# Altium PCB UltraZohm_Analog_ADS5272.PcbDoc (part 2 of 4) (continued)
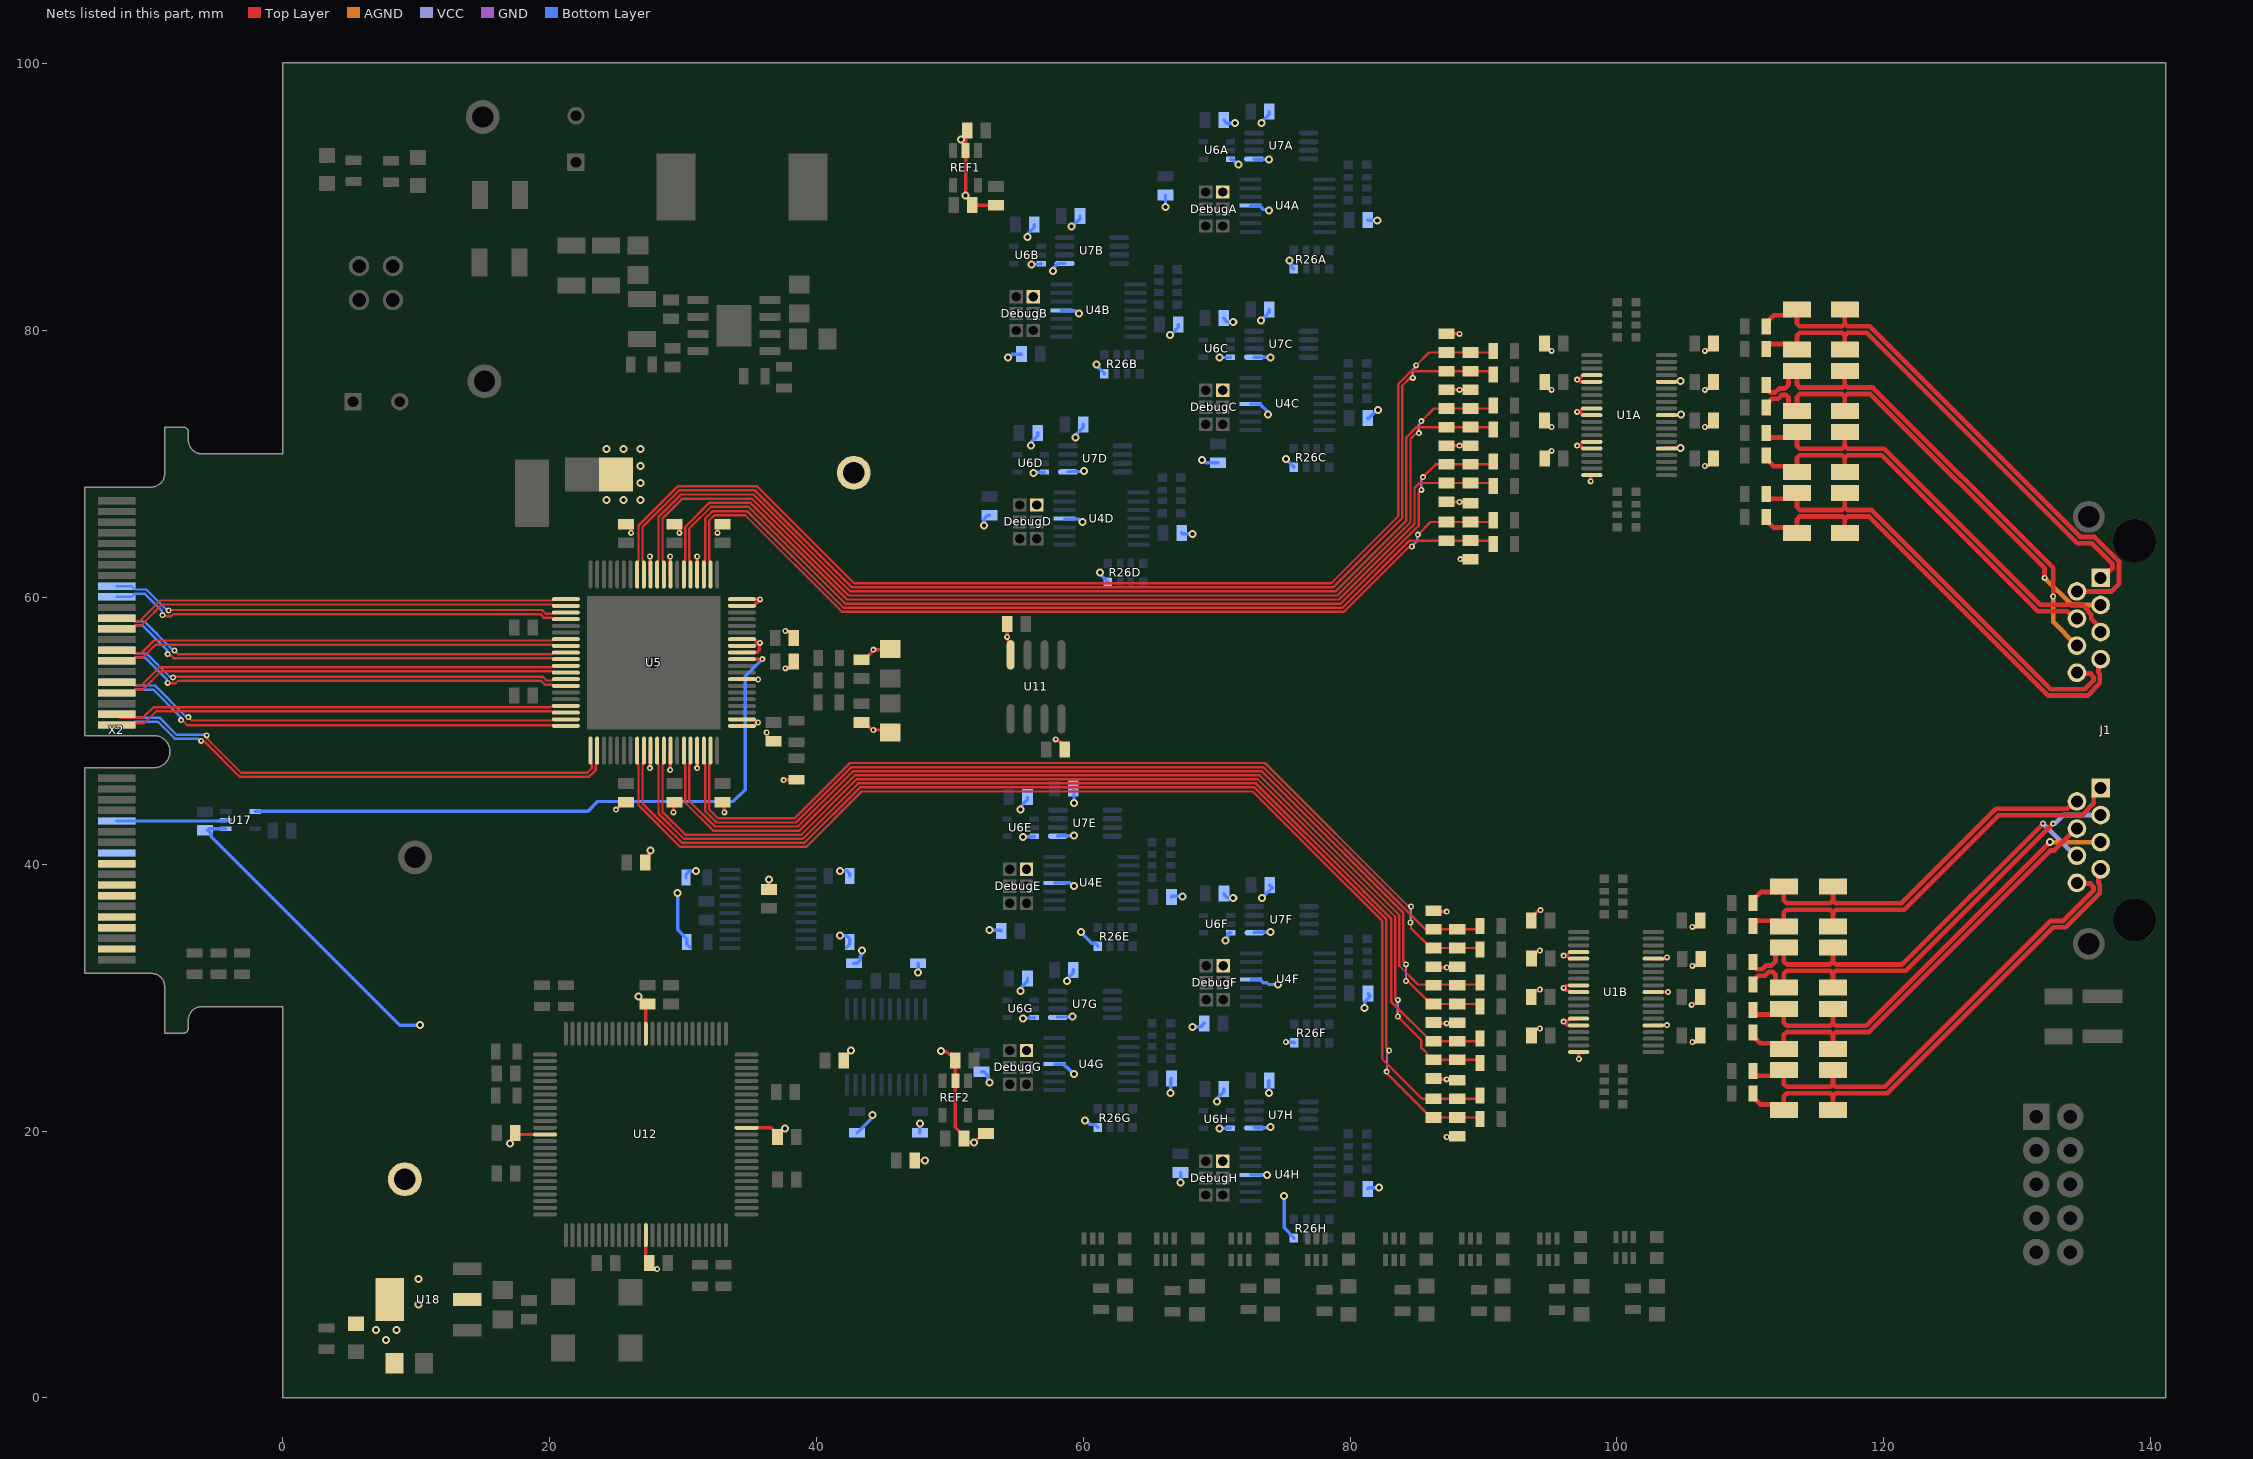
[diagram p6: the nets of this part, all layers, seen from the top]
## Nets (pads, with @x,y where several pads share a name; then routed paths per layer and width w, separated by ;. In a path a pad name is that pad's centre, name@x,y a point inside that pad or via, vN(x,y) a via of type N, cw(c..) or ccw(c..) an arc to the next point about the centre after c; other vN are vias at no path point) (continued)
  GND w0.178: v2(85.344,68.072) 85.344,68.82 85.471,68.947 v2(85.471,69.021)
ADC_IN_P3: C48A.2 C50A.1 R46A.1 U5.9 | length 80.1
  Top Layer w0.178: U5.9@28.563,61.718 28.563,62.651 28.465,62.749 28.465,65.91 29.967,67.412 35.151,67.412 42.415,60.147 79.047,60.147 84.531,65.631 84.531,71.883 84.916,72.267 85.108,72.267 v2(85.16,72.32) ; v2(85.344,73.209) 86.303,74.168 C48A.2@87.249,74.168 90.513,74.168 R46A.1@90.729,74.384
  GND w0.178: v2(85.16,72.32) 85.16,72.952 85.344,73.135 v2(85.344,73.209)
ADC_IN_P4: C52A.2 C54A.1 R52A.1 U5.12 | length 85.1
  Top Layer w0.178: U5.12@27.063,61.718 27.063,62.651 26.965,62.749 26.965,65.272 29.714,68.021 35.403,68.021 42.668,60.757 78.714,60.757 83.922,65.965 83.922,75.871 84.459,76.408 84.651,76.408 v2(84.703,76.46) ; v2(84.963,77.403) 85.919,78.359 C54A.1@87.249,78.359 89.027,78.359 90.602,78.359 R52A.1@90.729,78.486
  GND w0.178: v2(84.703,76.46) 84.703,77.07 84.963,77.329 v2(84.963,77.403)
ADC_IN_P5: C41B.1 C65B.2 R34B.1 U5.48 | length 85.9
  Top Layer w0.178: U5.48@26.563,48.518 26.563,47.585 26.661,47.487 26.661,44.436 29.796,41.3 39.238,41.3 43.391,45.454 72.71,45.454 77.624,40.54 82.386,35.777 82.423,35.741 82.423,25.4 85.408,22.415 C65B.2@86.261,22.415 89.487,22.415 R34B.1@89.741,22.669
ADC_IN_P6: C43B.2 C45B.1 R40B.1 U5.51 | length 80.6
  Top Layer w0.178: U5.51@28.063,48.518 28.063,47.585 28.161,47.487 28.161,43.798 30.049,41.91 38.985,41.91 43.139,46.063 72.963,46.063 74.726,44.3 78.881,40.145 83.083,35.943 83.083,29.708 86.061,26.73 C45B.1@86.261,26.73 88.039,26.73 89.542,26.73 R40B.1@89.741,26.929
ADC_IN_P7: C48B.2 C50B.1 R46B.1 U5.55 | length 74.9
  Top Layer w0.178: U5.55@30.063,48.518 30.063,47.585 30.161,47.487 30.161,46.55 30.166,46.545 30.166,44.614 32.26,42.52 38.733,42.52 42.886,46.673 73.215,46.673 83.693,36.195 83.693,32.385 85.09,30.988 86.261,30.988 88.039,30.988 89.589,30.988 R46B.1@89.741,31.14
ADC_IN_P8: C52B.2 C54B.1 R52B.1 U5.58 | length 69.9
  Top Layer w0.178: U5.58@31.563,48.518 31.563,47.585 31.661,47.487 31.661,43.981 32.423,43.218 32.513,43.129 38.48,43.129 42.634,47.282 73.495,47.282 85.659,35.118 86.261,35.118 C52B.2@88.039,35.118 89.49,35.118 R52B.1@89.741,35.369
ADC_N1: U5.22 X2.25 | length 34.5
  Top Layer w0.178: X2.25@-12.453,57.642 -11.328,57.642 -11.08,57.89 -10.594,57.89 -10.311,58.172 -10.311,58.219 -9.064,59.466 20.182,59.466 20.28,59.368 U5.22@21.213,59.368
ADC_N2: U5.24 X2.20 | length 34.9
  Top Layer w0.178: v2(-9.017,58.674) -8.965,58.622 -8.78,58.622 -8.741,58.584 -8.376,58.584 -8.21,58.75 19.305,58.75 19.589,58.466 20.182,58.466 20.28,58.368 U5.24@21.213,58.368
  Bottom Layer w0.178: X2.20@-12.453,60.042 -11.328,60.042 -11.08,60.29 -10.368,60.29 -9.055,58.976 -9.055,58.712 v2(-9.017,58.674)
ADC_N3: U5.28 X2.31 | length 34.2
  Top Layer w0.178: X2.31@-12.453,55.242 -11.328,55.242 -11.08,55.49 -10.5,55.49 -9.524,56.466 20.182,56.466 20.28,56.368 U5.28@21.213,56.368
ADC_N4: U5.30 X2.26 | length 35
  Top Layer w0.178: v2(-8.636,55.753) -8.562,55.753 -8.435,55.626 -8.352,55.626 -8.174,55.448 20.2,55.448 20.28,55.368 U5.30@21.213,55.368
  Bottom Layer w0.178: X2.26@-12.453,57.642 -11.328,57.642 -11.08,57.89 -10.508,57.89 -8.674,56.055 -8.674,55.791 v2(-8.636,55.753)
ADC_N5: U5.32 X2.37 | length 34.4
  Top Layer w0.178: X2.37@-12.453,52.842 -11.328,52.842 -11.08,53.09 -10.487,53.09 -9.111,54.466 20.182,54.466 20.28,54.368 U5.32@21.213,54.368
ADC_N6: U5.34 X2.32 | length 34.9
  Top Layer w0.178: v2(-8.636,53.594) -8.603,53.561 -8.034,53.561 -7.836,53.759 19.342,53.759 19.636,53.466 20.182,53.466 20.28,53.368 U5.34@21.213,53.368
  Bottom Layer w0.178: X2.32@-12.453,55.242 -11.328,55.242 -11.08,55.49 -10.339,55.49 -8.688,53.839 -8.688,53.646 v2(-8.636,53.594)
ADC_N7: U5.38 X2.43 | length 34.1
  Top Layer w0.178: X2.43@-12.446,50.5 -12.379,50.567 -10.393,50.567 -9.492,51.468 20.18,51.468 20.257,51.391 21.19,51.391 U5.38@21.213,51.368
ADC_N8: U5.40 X2.38 | length 35
  Top Layer w0.178: v2(-7.62,50.8) -7.546,50.8 -7.165,50.419 20.176,50.419 20.203,50.391 21.19,50.391 U5.40@21.213,50.368
  Bottom Layer w0.178: X2.38@-12.453,52.842 -11.328,52.842 -11.08,53.09 -9.717,53.09 -7.672,51.045 -7.672,50.852 v2(-7.62,50.8)
ADC_P1: U5.21 X2.23 | length 34.5
  Top Layer w0.178: X2.23@-12.453,58.442 -11.328,58.442 -11.08,58.194 -10.72,58.194 -10.616,58.299 -10.616,58.345 -9.191,59.77 20.182,59.77 20.28,59.868 U5.21@21.213,59.868
ADC_P2: U5.23 X2.18 | length 34.6
  Top Layer w0.178: v2(-8.559,59.025) -8.529,59.055 19.431,59.055 19.716,58.77 20.182,58.77 20.28,58.868 U5.23@21.213,58.868
  Bottom Layer w0.178: X2.18@-12.453,60.842 -11.328,60.842 -11.08,60.594 -10.242,60.594 -8.813,59.166 -8.773,59.166 -8.632,59.025 v2(-8.559,59.025)
ADC_P3: U5.27 X2.29 | length 34.2
  Top Layer w0.178: X2.29@-12.453,56.042 -11.328,56.042 -11.08,55.794 -10.627,55.794 -9.651,56.77 20.182,56.77 20.28,56.868 U5.27@21.213,56.868
ADC_P4: U5.29 X2.24 | length 34.8
  Top Layer w0.178: v2(-8.127,56.025) -7.855,55.753 20.165,55.753 20.28,55.868 U5.29@21.213,55.868
  Bottom Layer w0.178: X2.24@-12.453,58.442 -11.328,58.442 -11.08,58.194 -10.382,58.194 -8.34,56.152 -8.328,56.152 -8.201,56.025 v2(-8.127,56.025)
ADC_P5: U5.31 X2.35 | length 34.4
  Top Layer w0.178: X2.35@-12.453,53.642 -11.328,53.642 -11.08,53.394 -10.614,53.394 -9.238,54.77 20.182,54.77 20.28,54.868 U5.31@21.213,54.868
ADC_P6: U5.33 X2.30 | length 34.7
  Top Layer w0.178: v2(-8.228,54.002) -8.176,54.054 -7.998,54.054 -7.988,54.064 19.469,54.064 19.558,53.975 19.763,53.77 20.182,53.77 20.28,53.868 U5.33@21.213,53.868
  Bottom Layer w0.178: X2.30@-12.453,56.042 -11.328,56.042 -11.08,55.794 -10.213,55.794 -8.473,54.054 -8.28,54.054 v2(-8.228,54.002)
ADC_P7: U5.37 X2.41 | length 34.1
  Top Layer w0.178: X2.41@-12.453,51.242 -12.205,50.994 -10.474,50.994 -9.695,51.773 20.066,51.773 20.12,51.827 20.186,51.827 20.203,51.845 21.19,51.845 U5.37@21.213,51.868
ADC_P8: U5.39 X2.36 | length 34.9
  Top Layer w0.178: v2(-7.09,51.027) -6.833,50.77 20.182,50.77 20.28,50.868 U5.39@21.213,50.868
  Bottom Layer w0.178: X2.36@-12.453,53.642 -11.328,53.642 -11.08,53.394 -9.591,53.394 -7.327,51.13 -7.266,51.13 -7.163,51.027 v2(-7.09,51.027)
ADCLK: U5.71 U17.4 | length 49.2
  Top Layer w0.254: U5.71@34.413,55.368 34.415,55.37 35.939,55.37 v2(35.941,55.372)
  Bottom Layer w0.254: U17.4@-2.065,43.957 22.875,43.957 23.622,44.704 33.782,44.704 34.671,45.593 34.671,54.102 v2(35.941,55.372)
ADCLK1.8: U17.2 X2.54 | length 8.2
  Bottom Layer w0.254: X2.54@-12.453,43.242 -4.732,43.242 -4.715,43.259 -4.333,43.259 U17.2@-4.285,43.307
ADCLK_N: U5.42 X2.44 | length 39.4
  Top Layer w0.178: v2(-6.123,49.249) -6.071,49.197 -5.878,49.197 -3.24,46.558 22.949,46.558 23.465,47.075 23.465,47.487 23.563,47.585 U5.42@23.563,48.518
  Bottom Layer w0.178: X2.44@-12.453,50.442 -11.328,50.442 -11.08,50.69 -9.376,50.69 -8.089,49.403 -6.351,49.403 -6.197,49.249 v2(-6.123,49.249)
ADCLK_P: U5.41 X2.42 | length 39
  Top Layer w0.178: v2(-5.715,49.657) -5.663,49.605 -5.663,49.412 -3.113,46.863 22.822,46.863 23.161,47.201 23.161,47.487 23.063,47.585 U5.41@23.063,48.518
  Bottom Layer w0.178: X2.42@-12.453,51.242 -11.328,51.242 -11.08,50.994 -9.25,50.994 -7.963,49.708 -5.766,49.708 v2(-5.715,49.657)
AGND: C1A.1 C1B.1 C2A.1 C2B.1 C15.2 C16.2 C17.2 C18.2 C19.2 C20.2 C21.2 C22.2 C23.2 C26.2 C27.2 C28.2 C29.2 C35A.1 C35B.1 C36A.2 C36B.2 C37A.2 C37B.2 C38A.2 C38B.2 C39A.2 C39B.2 C40.2 C41A.2 C41B.2 C42A.1 C42B.1 C45A.2 C45B.2 C46.2 C47A.1 C47B.1 C49A.1 C49B.1 C50A.2 C50B.2 C51A.1 C51B.1 C54A.2 C54B.2 C64A.1 C64B.1 C68A.2 C68B.2 C68C.2 C68D.2 C68E.2 C68F.2 C68G.2 C68H.2 C69A.2 C69B.2 C69C.2 C69D.2 C69E.2 C69F.2 C69G.2 C69H.2 C70A.2 C70B.2 C70C.2 C70D.2 C70E.2 C70F.2 C70G.2 C70H.2 C73.2 C74.2 C75.2 C76.2 C77.2 C78.2 C85A.2 C85B.2 C85C.2 C85D.2 C85E.2 C85F.2 C85G.2 C85H.2 C88.2 C89.2 C90.2 C91.2 DebugA.2 DebugB.2 DebugC.2 DebugD.2 DebugE.2 DebugF.2 DebugG.2 DebugH.2 NT2.2 R20.1 R26A.4 R26B.4 R26C.4 R26D.4 R26E.4 R26F.4 R26G.4 R26H.4 R56.1 R73.1 R74.1 R75.1 R80.1 R81.1 R82.1 R83.1 REF1.2 REF2.2 TP3.1 U1A.5 U1A.10 U1A.15 U1A.23 U1A.24 U1A.28 U1A.29 U1A.33 U1A.34 U1A.38 U1B.5 U1B.10 U1B.15 U1B.23 U1B.24 U1B.28 U1B.29 U1B.33 U1B.34 U1B.38 U4A.11 U4B.11 U4C.11 U4D.11 U4E.11 U4F.11 U4G.11 U4H.11 U5.4 U5.8 U5.11 U5.50 U5.53 U5.57 U5.61 U5.62 U5.68 U5.72 U5.73 U5.74 U5.79 U5.80 U6A.3 U6B.3 U6C.3 U6D.3 U6E.3 U6F.3 U6G.3 U6H.3 U7A.5 U7B.5 U7C.5 U7D.5 U7E.5 U7F.5 U7G.5 U7H.5 U11.4 | length 194.3
  Top Layer w0.254: v2(24.97,44.095) 25.53,44.655 C18.2@25.73,44.655 ; C17.2@25.73,65.489 25.838,65.489 26.111,65.216 v2(26.111,64.848) ; C88.2@27.178,40.132 27.451,40.405 27.451,40.819 27.559,40.927 v1(27.559,41.021) ; v2(27.508,47.195) 27.508,47.248 27.554,47.294 27.554,48.509 U5.50@27.563,48.518 ; v2(27.508,63.07) 27.508,63.017 27.554,62.971 27.554,61.727 U5.11@27.563,61.718 ; v2(29.032,47.068) 29.054,47.09 29.054,48.509 U5.53@29.063,48.518 ; v2(29.032,63.07) 29.054,63.048 29.054,61.727 U5.8@29.063,61.718 ; v2(29.286,43.893) 29.286,44.592 C19.2@29.35,44.655 ; C16.2@29.35,65.489 29.452,65.489 29.725,65.216 v2(29.725,64.848) ; v2@31.064,47.196 U5.57@31.063,48.518 ; U5.4@31.063,61.718 v2@31.064,63.069 ; v2(32.588,64.841) 32.588,65.216 32.861,65.489 C15.2@32.969,65.489 ; C20.2@32.969,44.655 33.096,44.528 v2(33.096,43.893) ; U5.61@34.413,50.368 35.325,50.368 35.544,50.587 35.599,50.587 v2(35.636,50.624) 35.599,50.662 35.532,50.662 35.325,50.868 U5.62@34.413,50.868 ; U5.68@34.413,53.868 34.422,53.859 35.624,53.859 v2(35.636,53.847) ; U5.72@34.413,55.868 34.422,55.877 35.555,55.877 35.726,56.048 v2@35.726,56.556 ; U5.73@34.413,56.368 35.325,56.368 35.513,56.556 v2@35.726,56.556 ; U5.74@34.413,56.868 35.325,56.868 35.6,56.593 v2(35.763,56.593) v2@35.726,56.556 ; U5.79@34.413,59.368 35.301,59.368 35.779,59.847 v2(35.779,59.859) 35.775,59.863 34.418,59.863 U5.80@34.413,59.868 ; v2(36.271,49.875) 36.306,49.84 36.306,49.5 36.579,49.227 C21.2@36.779,49.227 ; C89.2@36.449,38.103 v1(36.449,38.862) ; v2(37.541,46.306) 37.556,46.321 38.491,46.321 R20.1@38.506,46.336 ; v2(37.668,54.688) 37.706,54.726 v2@37.83,54.726 ; v2(37.668,57.482) 37.7,57.45 38.033,57.45 38.306,57.177 C23.2@38.306,56.977 ; v2@37.83,54.726 38.03,54.726 38.303,54.999 C22.2@38.303,55.199 ; C90.2@42.037,25.273 42.037,25.473 v1(42.597,26.033) ; C28.2@43.383,50.624 43.583,50.624 44.143,50.064 C26.2@45.089,50.064 ; C29.2@43.383,55.329 43.583,55.329 44.235,55.981 44.235,56.048 v2(44.272,56.085) ; 44.526,56.085 45.498,56.085 C27.2@45.542,56.129 ; C26.2@45.343,50.064 C26.2@45.542,49.865 ; C91.2@47.374,17.78 v1(48.133,17.78) ; v1(49.357,26.01) 49.423,25.944 49.745,25.944 49.943,25.746 50.143,25.746 50.416,25.473 C78.2@50.416,25.273 50.419,25.27 REF2.2@50.419,23.779 50.419,20.269 51.057,19.631 C76.2@51.057,19.431 51.057,19.419 51.33,19.146 v1(51.816,19.146) 51.839,19.146 52.505,19.812 C77.2@52.705,19.812 ; v1(50.855,94.33) 50.855,94.346 51.305,94.796 C75.2@51.305,94.996 ; 51.181,94.33 REF1.2@51.181,93.502 v1(51.181,90.116) 51.689,89.608 C73.2@51.689,89.408 C74.2@53.467,89.408 ; C46.2@54.302,57.993 v2(54.302,57.044) 54.302,56.845 54.559,56.588 U11.4@54.559,55.694 ; v2(57.937,49.361) 57.974,49.323 58.098,49.323 58.626,48.795 C40.2@58.626,48.595 ; C42B.1@86.261,23.936 86.321,23.876 v2@87.122,23.876 ; C45B.2@86.261,28.13 86.324,28.067 v2@87.122,28.067 ; C51B.1@86.261,32.318 86.321,32.258 v2@87.122,32.258 ; C54B.2@86.261,36.515 86.327,36.449 v2@87.122,36.449 ; v2(87.249,19.558) 87.979,19.558 C64B.1@88.039,19.618 ; v2(87.249,23.876) 87.978,23.876 C41B.2@88.039,23.815 ; v2(87.249,28.067) 87.979,28.067 C47B.1@88.039,28.127 ; v2(87.249,32.258) 87.976,32.258 C50B.2@88.039,32.321 ; C42A.1@87.249,67.18 87.275,67.154 v2@88.076,67.154 ; C45A.2@87.249,71.374 C47A.1@88.897,71.374 ; C51A.1@87.249,75.562 87.252,75.565 C50A.2@88.9,75.565 ; C54A.2@87.249,79.759 87.252,79.756 v2@88.138,79.756 ; v2(88.203,67.154) 88.932,67.154 C41A.2@89.027,67.059 ; v2(88.265,62.865) 89.024,62.865 C64A.1@89.027,62.862 ; C47A.1@89.024,71.374 C47A.1@89.027,71.371 ; C38B.2@93.596,30.038 93.596,30.238 93.869,30.511 94.085,30.511 94.181,30.607 v2(94.234,30.607) ; C36B.2@93.596,35.795 93.596,35.995 94.124,36.523 94.248,36.523 v2(94.286,36.561) ; C39B.2@93.599,27.159 93.599,27.359 93.872,27.632 94.072,27.632 94.089,27.648 94.196,27.648 v2(94.234,27.686) ; C37B.2@93.599,32.916 93.599,33.116 93.872,33.389 94.042,33.389 94.181,33.528 v2(94.234,33.528) ; C38A.2@94.584,73.282 94.584,73.082 94.857,72.809 95.032,72.809 95.07,72.771 v2(95.123,72.771) ; C36A.2@94.584,79.039 94.584,78.839 94.857,78.566 94.99,78.566 95.07,78.486 v2(95.123,78.486) ; C39A.2@94.587,70.403 94.587,70.603 94.939,70.955 95.085,70.955 v2(95.123,70.993) ; C37A.2@94.587,76.16 94.587,75.96 94.945,75.603 95.085,75.603 v2(95.123,75.565) ; v2(97.028,73.914) v2@97.215,73.914 ; U1B.38@97.137,25.918 97.155,25.9 v2(97.155,25.4) ; U1B.34@97.137,27.918 97.128,27.927 96.279,27.927 v2(96.012,28.194) 96.05,28.232 96.288,28.232 96.475,28.418 U1B.33@97.137,28.418 ; U1B.29@97.137,30.418 96.475,30.418 96.359,30.534 96.212,30.534 v2(96.012,30.734) 96.065,30.734 96.24,30.909 97.128,30.909 U1B.28@97.137,30.918 ; U1B.24@97.137,32.918 96.475,32.918 96.283,33.109 96.05,33.109 v2(96.012,33.147) 96.05,33.185 96.241,33.185 96.475,33.418 U1B.23@97.137,33.418 ; v2(98.044,68.707) 98.044,69.141 98.065,69.162 U1A.38@98.125,69.162 ; U1A.34@98.125,71.162 97.463,71.162 97.288,71.336 97.066,71.336 v2(97.028,71.374) 97.175,71.374 97.463,71.662 U1A.33@98.125,71.662 ; U1A.29@98.125,73.662 97.467,73.662 v2@97.215,73.914 ; U1A.28@98.125,74.162 97.463,74.162 v2@97.215,73.914 ; U1A.24@98.125,76.162 98.116,76.171 97.237,76.171 97.081,76.327 v2(97.028,76.327) 97.066,76.365 97.165,76.365 97.463,76.662 U1A.23@98.125,76.662 ; U1B.5@102.737,27.918 102.746,27.927 103.746,27.927 v2(103.759,27.94) ; U1B.10@102.737,30.418 v2(103.837,30.418) ; U1B.15@102.737,32.918 102.746,32.927 103.613,32.927 103.706,33.02 v2(103.759,33.02) ; U1A.5@103.725,71.162 103.734,71.171 104.73,71.171 v1(104.775,71.216) ; U1A.10@103.725,73.662 103.734,73.671 104.78,73.671 v1(104.825,73.716) ; U1A.15@103.725,76.162 103.734,76.171 104.73,76.171 v1(104.775,76.216) ; v2(105.616,29.464) 105.653,29.502 105.727,29.502 105.791,29.565 105.991,29.565 106.264,29.838 C49B.1@106.264,30.038 ; v2(105.664,26.67) 105.68,26.686 105.991,26.686 106.264,26.959 C35B.1@106.264,27.159 ; v2(105.664,32.385) 105.699,32.42 106.029,32.42 106.302,32.693 C2B.1@106.302,32.893 ; v2(105.664,35.306) 105.68,35.322 105.991,35.322 106.264,35.595 C1B.1@106.264,35.795 ; v2(106.6,75.565) 106.653,75.565 106.776,75.687 106.975,75.687 107.248,75.96 C2A.1@107.248,76.16 ; v2(106.603,69.85) 106.656,69.85 106.737,69.93 106.978,69.93 107.251,70.203 C35A.1@107.251,70.403 ; v2(106.603,72.771) 106.641,72.809 v2@106.778,72.809 ; v2(106.603,78.486) 106.656,78.486 106.737,78.566 106.978,78.566 107.251,78.839 C1A.1@107.251,79.039 ; v2@106.778,72.809 106.978,72.809 107.251,73.082 C49A.1@107.251,73.282
  Bottom Layer w0.254: v1(29.591,37.846) 29.591,35.099 30.277,34.413 R73.1@30.277,34.163 30.277,34.005 R73.1@30.5,33.782 ; R56.1@30.226,38.989 30.226,39.239 30.449,39.462 30.953,39.462 v1(30.988,39.497) ; v1(41.783,34.671) 41.818,34.636 42.271,34.636 42.494,34.413 R74.1@42.494,34.163 42.494,34.005 R74.1@42.271,33.782 ; v1(41.783,39.497) 42.271,39.497 42.494,39.274 R75.1@42.494,39.116 R75.1@42.519,39.142 ; R81.1@42.799,32.588 43.049,32.588 43.272,32.811 43.272,33.061 43.368,33.157 43.368,33.462 v1(43.434,33.528) ; R82.1@43.053,19.863 44.196,21.006 v1(44.196,21.209) ; v1(47.625,31.877) R80.1@47.625,32.588 ; R83.1@47.752,19.863 v1(47.752,20.574) ; C85G.2@52.376,24.433 52.576,24.433 52.849,24.16 52.849,23.96 52.893,23.916 52.893,23.688 v1(52.959,23.622) ; v1(52.578,65.405) 52.578,65.891 52.851,66.164 C85D.2@52.959,66.164 ; v1(52.959,35.052) 53.794,35.052 C85E.2@53.848,34.998 ; v1(54.356,77.978) 54.411,77.978 54.665,78.232 C85B.2@55.369,78.232 ; v1(55.31,30.505) 55.376,30.571 55.376,30.796 55.821,31.241 C70G.2@55.821,31.441 ; v1(55.31,44.094) 55.376,44.16 55.376,44.385 55.821,44.83 C70E.2@55.821,45.03 ; v1(55.499,28.448) 55.528,28.477 56.307,28.477 U6G.3@56.335,28.505 ; v1(55.499,42.037) 55.528,42.066 56.307,42.066 U6E.3@56.335,42.094 ; v1(55.818,87.02) 55.884,87.086 55.884,87.311 56.329,87.756 C70B.2@56.329,87.956 ; v1(56.072,71.399) 56.138,71.465 56.138,71.69 56.583,72.135 C70D.2@56.583,72.335 ; v1(56.134,84.963) 56.163,84.992 56.815,84.992 U6B.3@56.843,85.02 ; v1(56.261,69.342) 56.29,69.371 57.069,69.371 U6D.3@57.097,69.399 ; v1(57.724,84.478) 57.79,84.545 57.79,84.728 58.094,85.031 U7B.5@58.604,85.031 ; U4G.11@57.848,25.009 58.523,25.009 58.769,24.763 58.803,24.763 v1(59.309,24.257) ; U4E.11@57.848,38.598 59,38.598 59.245,38.354 v1(59.309,38.354) ; U7G.5@58.096,28.516 58.124,28.544 59.151,28.544 v1(59.182,28.575) ; U7E.5@58.096,42.105 58.124,42.133 59.278,42.133 v1(59.309,42.164) ; U4B.11@58.356,81.524 58.379,81.501 59.354,81.501 59.586,81.269 v1(59.679,81.269) ; U4D.11@58.61,65.903 58.633,65.88 59.629,65.88 59.85,65.659 v1(59.944,65.659) ; v1(58.801,31.242) 58.867,31.308 58.867,31.493 59.25,31.876 C69G.2@59.25,32.076 ; U7D.5@58.858,69.41 58.886,69.438 60.04,69.438 v1(60.071,69.469) ; v1(59.135,87.79) 59.157,87.79 59.758,88.391 C69B.2@59.758,88.591 ; C69E.2@59.25,45.665 59.309,45.606 v1(59.309,44.577) ; v1(59.412,71.987) 59.478,72.053 59.478,72.236 60.012,72.77 C69D.2@60.012,72.97 ; v1(59.817,34.925) 59.817,34.894 60.634,34.077 60.885,34.077 61.078,33.884 R26E.4@61.078,33.854 ; v1(60.15,20.78) 60.244,20.78 60.536,20.488 60.885,20.488 61.078,20.295 R26G.4@61.078,20.265 ; v1(60.986,77.48) 60.986,77.41 61.586,76.81 R26B.4@61.586,76.78 ; v1(61.24,61.859) 61.24,61.789 61.84,61.189 R26D.4@61.84,61.159 ; v1(66.167,89.281) C85A.2@66.167,90.17 ; v1(66.501,79.662) 66.523,79.662 67.124,80.263 C68B.2@67.124,80.463 ; v1(66.548,22.86) 66.548,23.88 C68G.2@66.616,23.948 ; C68E.2@66.616,37.537 66.671,37.592 v1(67.437,37.592) ; v1(67.31,16.129) C85H.2@67.31,16.888 ; C68D.2@67.378,64.842 67.45,64.77 v1(68.199,64.77) ; v1(68.199,27.813) 68.831,27.813 C85F.2@69.085,28.067 ; v1(68.887,70.305) 68.98,70.305 69.182,70.104 C85C.2@70.104,70.104 ; v1(70.017,22.215) 70.083,22.281 70.083,22.506 70.528,22.951 C70H.2@70.528,23.151 ; v1(70.231,20.193) 70.242,20.204 71.031,20.204 U6H.3@71.042,20.215 ; v1(70.231,77.978) 70.242,77.989 71.031,77.989 U6C.3@71.042,78 ; C70C.2@70.528,80.936 70.528,80.918 70.801,80.645 v1(71.247,80.645) ; C70A.2@70.528,95.795 70.773,95.55 v1(71.374,95.55) ; C70F.2@70.553,37.791 70.553,37.738 70.826,37.465 v1(71.247,37.465) ; v1(70.685,34.29) 70.685,34.384 70.844,34.543 70.844,34.782 70.917,34.855 U6F.3@71.067,34.855 ; U6A.3@71.042,92.859 71.192,92.859 71.595,92.456 v1(71.628,92.456) ; U4H.11@72.555,16.719 v1(73.78,16.719) ; U4C.11@72.555,74.504 73.23,74.504 73.476,74.258 73.485,74.258 73.802,73.941 73.802,73.786 v1(73.868,73.72) ; U4A.11@72.555,89.363 73.23,89.363 73.511,89.082 73.859,89.082 v1(73.925,89.016) ; U4F.11@72.58,31.359 73.255,31.359 73.501,31.113 73.767,31.113 73.893,30.988 v1(74.595,30.988) ; U7H.5@72.803,20.226 72.831,20.254 73.881,20.254 73.947,20.32 v1(74.041,20.32) ; U7C.5@72.803,78.011 72.819,77.994 74.025,77.994 v1(74.041,77.978) ; U7A.5@72.803,92.87 72.819,92.853 73.898,92.853 v1(73.914,92.837) ; U7F.5@72.828,34.866 72.856,34.894 74.01,34.894 v1(74.041,34.925) ; v1(73.334,80.77) 73.356,80.77 73.957,81.371 C69C.2@73.957,81.571 ; v1(73.353,95.55) 73.353,95.626 73.957,96.23 C69A.2@73.957,96.43 ; v1(73.406,37.465) 73.406,37.478 74.168,38.24 C69F.2@73.982,38.426 ; v1(73.914,22.86) 73.914,23.743 C69H.2@73.957,23.786 ; v1(75.057,15.113) 75.057,12.733 75.785,12.005 R26H.4@75.785,11.975 ; v2(75.184,26.67) 75.212,26.642 75.783,26.642 R26F.4@75.81,26.615 ; v1(75.185,70.39) 75.785,69.79 R26C.4@75.785,69.76 ; v1(75.458,85.242) 75.458,85.148 75.592,85.014 75.592,84.812 R26A.4@75.785,84.619 ; v1(81.099,29.21) 81.099,29.677 81.534,30.112 C68F.2@81.348,30.298 ; C68H.2@81.323,15.658 81.413,15.748 v1(82.169,15.748) ; C68C.2@81.323,73.443 81.36,73.406 81.995,74.041 v1(82.082,74.041) ; C68A.2@81.323,88.298 81.356,88.265 v1(82.042,88.265)
  other v1: 24.257,67.31 25.527,67.31 26.797,67.31 26.797,68.58 26.797,69.85 24.257,71.12 25.527,71.12 26.797,71.12
  other v2: 87.249,36.449 31.064,47.195 44.27,50.064 31.064,63.07 88.203,71.374 88.203,75.565 88.203,79.756
AIN_A_N1: C84B.2 J1.A2 R51B.2 R63B.2 | length 30.5
  Top Layer w0.356: R51B.2@110.208,37.082 110.208,37.332 110.789,37.913 112.1,37.913 R63B.2@112.522,38.335 112.522,37.285 112.73,37.076 115.997,37.076 116.205,37.285 ; C84B.2@116.205,38.335 116.205,37.285 ; J1.A2@134.493,44.704 134.307,44.704 133.762,44.159 128.417,44.159 121.334,37.076 116.413,37.076 116.205,37.285
AIN_A_N2: C83B.2 J1.A6 R45B.2 R62B.2 | length 33.4
  Top Layer w0.356: R45B.2@110.213,32.664 110.213,32.414 110.5,32.127 110.898,32.127 111.188,32.416 111.61,32.416 111.89,32.697 111.89,33.325 112.313,33.747 R62B.2@112.522,33.747 112.522,32.697 112.73,32.488 115.997,32.488 116.205,32.697 ; C83B.2@116.205,33.747 116.205,32.697 ; v2(131.953,43.053) 121.388,32.488 116.413,32.488 116.205,32.697
  VCC w0.356: v2(131.953,43.053) 134.366,40.64 J1.A6@134.493,40.64
AIN_A_N3: C82B.2 J1.A5 R39B.2 R58B.2 | length 34.6
  Top Layer w0.356: R39B.2@110.213,29.088 110.213,28.909 110.385,28.737 112.1,28.737 R58B.2@112.522,29.159 112.522,28.109 112.73,27.9 115.997,27.9 116.205,28.109 ; C82B.2@116.205,29.159 116.205,28.109 ; v1(132.461,41.656) 118.705,27.9 116.413,27.9 116.205,28.109 ; J1.A5@136.26,41.645 J1.A5@136.271,41.656
  AGND w0.356: v1(132.461,41.656) J1.A5@136.271,41.656
AIN_A_N4: C81B.2 J1.A8 R33B.2 R57B.2 | length 36
  Top Layer w0.356: R33B.2@110.213,24.496 110.213,24.321 110.385,24.149 112.1,24.149 R57B.2@112.522,24.571 112.522,23.521 112.73,23.312 115.997,23.312 116.205,23.521 ; C81B.2@116.205,24.571 116.205,23.521 ; J1.A8@134.493,38.608 134.543,38.558 135.476,38.558 135.726,38.308 135.726,38.013 133.464,35.751 132.525,35.751 120.086,23.312 116.413,23.312 116.205,23.521
AIN_A_P1: C84B.1 J1.A1 R50B.2 R63B.1 | length 33
  Top Layer w0.356: R50B.2@110.213,35.382 110.213,35.585 110.385,35.757 112.1,35.757 R63B.1@112.522,35.335 112.522,36.385 112.73,36.594 115.997,36.594 116.205,36.385 ; C84B.1@116.205,35.335 116.205,36.385 ; J1.A1@136.271,45.72 135.749,45.198 135.749,44.587 135.387,44.225 135.387,44.177 134.887,43.677 128.617,43.677 121.534,36.594 116.413,36.594 116.205,36.385
AIN_A_P2: C83B.1 J1.A3 R44B.2 R62B.1 | length 34.6
  Top Layer w0.356: R44B.2@110.213,30.994 110.213,31.244 110.614,31.645 111.098,31.645 111.387,31.934 111.682,31.934 111.89,31.725 111.89,31.169 112.313,30.747 R62B.1@112.522,30.747 112.522,31.797 112.73,32.006 115.997,32.006 116.205,31.797 ; C83B.1@116.205,30.747 116.205,31.797 ; v2(132.715,43.041) 132.69,43.041 121.655,32.006 116.413,32.006 116.205,31.797
  VCC w0.356: v2(132.715,43.041) 132.83,43.041 133.477,43.688 J1.A3@136.271,43.688
AIN_A_P3: C82B.1 J1.A4 R38B.2 R58B.1 | length 33.6
  Top Layer w0.356: R38B.2@110.208,27.388 110.208,27.138 110.765,26.581 112.1,26.581 R58B.1@112.522,26.159 112.522,27.209 112.73,27.418 115.997,27.418 116.205,27.209 ; C82B.1@116.205,26.159 116.205,27.209 ; J1.A4@134.493,42.672 134.421,42.672 132.77,41.021 132.508,41.021 118.905,27.418 116.413,27.418 116.205,27.209
AIN_A_P4: C81B.1 J1.A7 R32B.2 R57B.1 | length 37.1
  Top Layer w0.356: R32B.2@110.213,22.796 110.213,22.546 110.766,21.993 112.1,21.993 R57B.1@112.522,21.571 112.522,22.621 112.73,22.83 115.997,22.83 116.205,22.621 ; C81B.1@116.205,21.571 116.205,22.621 ; J1.A7@136.271,39.624 136.118,39.471 136.118,38.599 136.209,38.508 136.209,37.813 133.664,35.268 132.725,35.268 120.286,22.83 116.413,22.83 116.205,22.621
AIN_B_N1: C84A.2 J1.B2 R51A.2 R63A.2 | length 41.8
  Top Layer w0.356: R51A.2@111.196,80.326 111.196,80.576 111.777,81.157 113.088,81.157 R63A.2@113.51,81.579 113.51,80.529 113.718,80.32 116.886,80.32 117.094,80.529 ; C84A.2@117.094,81.579 117.094,80.529 ; J1.B2@134.493,60.452 137.086,60.452 137.651,61.017 137.651,62.693 135.809,64.535 134.73,64.535 118.945,80.32 117.302,80.32 117.094,80.529
AIN_B_N2: C83A.2 J1.B6 R45A.2 R62A.2 | length 37.4
  Top Layer w0.356: R45A.2@111.201,75.908 111.201,75.658 111.488,75.371 111.886,75.371 112.175,75.661 112.598,75.661 112.878,75.941 112.878,76.569 113.3,76.991 R62A.2@113.51,76.991 113.51,75.941 113.718,75.732 116.886,75.732 117.094,75.941 ; C83A.2@117.094,76.991 117.094,75.941 ; v2(132.709,60.065) 132.709,62.222 119.199,75.732 117.302,75.732 117.094,75.941
  AGND w0.356: v2@132.715,60.065 132.715,58.166 J1.B6@134.493,56.388
AIN_B_N3: C82A.2 J1.B5 R39A.2 R58A.2 | length 33.9
  Top Layer w0.356: R39A.2@111.201,72.332 111.201,72.153 111.373,71.981 113.088,71.981 R58A.2@113.51,72.403 113.51,71.353 113.718,71.144 116.886,71.144 117.094,71.353 ; C82A.2@117.094,72.403 117.094,71.353 ; J1.B5@136.271,57.404 136.271,57.687 135.568,58.389 135.568,58.718 135.387,58.899 135.387,58.947 134.887,59.447 131.751,59.447 120.054,71.144 117.302,71.144 117.094,71.353
AIN_B_N4: C81A.2 J1.B8 R33A.2 R57A.2 | length 34.8
  Top Layer w0.356: R33A.2@111.201,67.74 111.201,67.565 111.373,67.393 113.088,67.393 R57A.2@113.51,67.815 113.51,66.765 113.718,66.556 116.886,66.556 117.094,66.765 ; C81A.2@117.094,67.815 117.094,66.765 ; J1.B8@134.493,54.356 134.543,54.306 135.476,54.306 135.726,54.056 135.726,53.761 135.088,53.123 132.526,53.123 119.092,66.556 117.302,66.556 117.094,66.765
AIN_B_P1: C84A.1 J1.B1 R50A.2 R63A.1 | length 37.5
  Top Layer w0.356: R50A.2@111.201,78.626 111.201,78.829 111.373,79.001 113.088,79.001 R63A.1@113.51,78.579 113.51,79.63 113.718,79.838 116.886,79.838 117.094,79.63 ; C84A.1@117.094,78.579 117.094,79.63 ; J1.B1@136.271,61.468 136.793,61.99 136.96,61.99 137.168,62.199 137.168,62.493 135.609,64.053 134.53,64.053 118.745,79.838 117.302,79.838 117.094,79.63
AIN_B_P2: C83A.1 J1.B3 R44A.2 R62A.1 | length 35.8
  Top Layer w0.356: R44A.2@111.201,74.238 111.201,74.488 111.602,74.889 112.086,74.889 112.375,75.178 112.67,75.178 112.878,74.97 112.878,74.413 113.3,73.991 R62A.1@113.51,73.991 113.51,75.042 113.718,75.25 116.886,75.25 117.094,75.042 ; C83A.1@117.094,73.991 117.094,75.042 ; v2(132.08,61.468) 132.062,61.486 132.062,62.187 118.999,75.25 117.302,75.25 117.094,75.042
  AGND w0.356: v2(132.08,61.468) 132.08,61.444 134.088,59.436 J1.B3@136.271,59.436
AIN_B_P3: C82A.1 J1.B4 R38A.2 R58A.1 | length 31.4
  Top Layer w0.356: R38A.2@111.196,70.632 111.196,70.382 111.753,69.825 113.088,69.825 R58A.1@113.51,69.403 113.51,70.454 113.718,70.662 116.886,70.662 117.094,70.454 ; C82A.1@117.094,69.403 117.094,70.454 ; J1.B4@134.493,58.42 134.307,58.42 133.762,58.965 131.551,58.965 119.854,70.662 117.302,70.662 117.094,70.454
AIN_B_P4: C81A.1 J1.B7 R32A.2 R57A.1 | length 35.9
  Top Layer w0.356: R32A.2@111.201,66.04 111.201,65.79 111.754,65.237 113.088,65.237 R57A.1@113.51,64.815 113.51,65.866 113.718,66.074 116.886,66.074 117.094,65.866 ; C81A.1@117.094,64.815 117.094,65.866 ; J1.B7@136.271,55.372 136.118,55.219 136.118,54.347 136.209,54.256 136.209,53.561 135.288,52.64 132.326,52.64 118.892,66.074 117.302,66.074 117.094,65.866
ANL_RES_01: X2.60
ANL_RES_02: X2.61
ANL_RES_03: X2.62
ANL_RES_04: X2.65
ANL_RES_05: X2.66
ANL_RES_06: X2.67
ANL_RES_07: X2.68
ANL_RES_08: X2.71
ANL_RES_09: X2.72
ANL_RES_10: X2.73
ANL_RES_11: X2.74
ANL_RES_12: X2.77